# Altium PCB FMC_ADC_128CH_10B.PcbDoc (part 4 of 14) (continued)
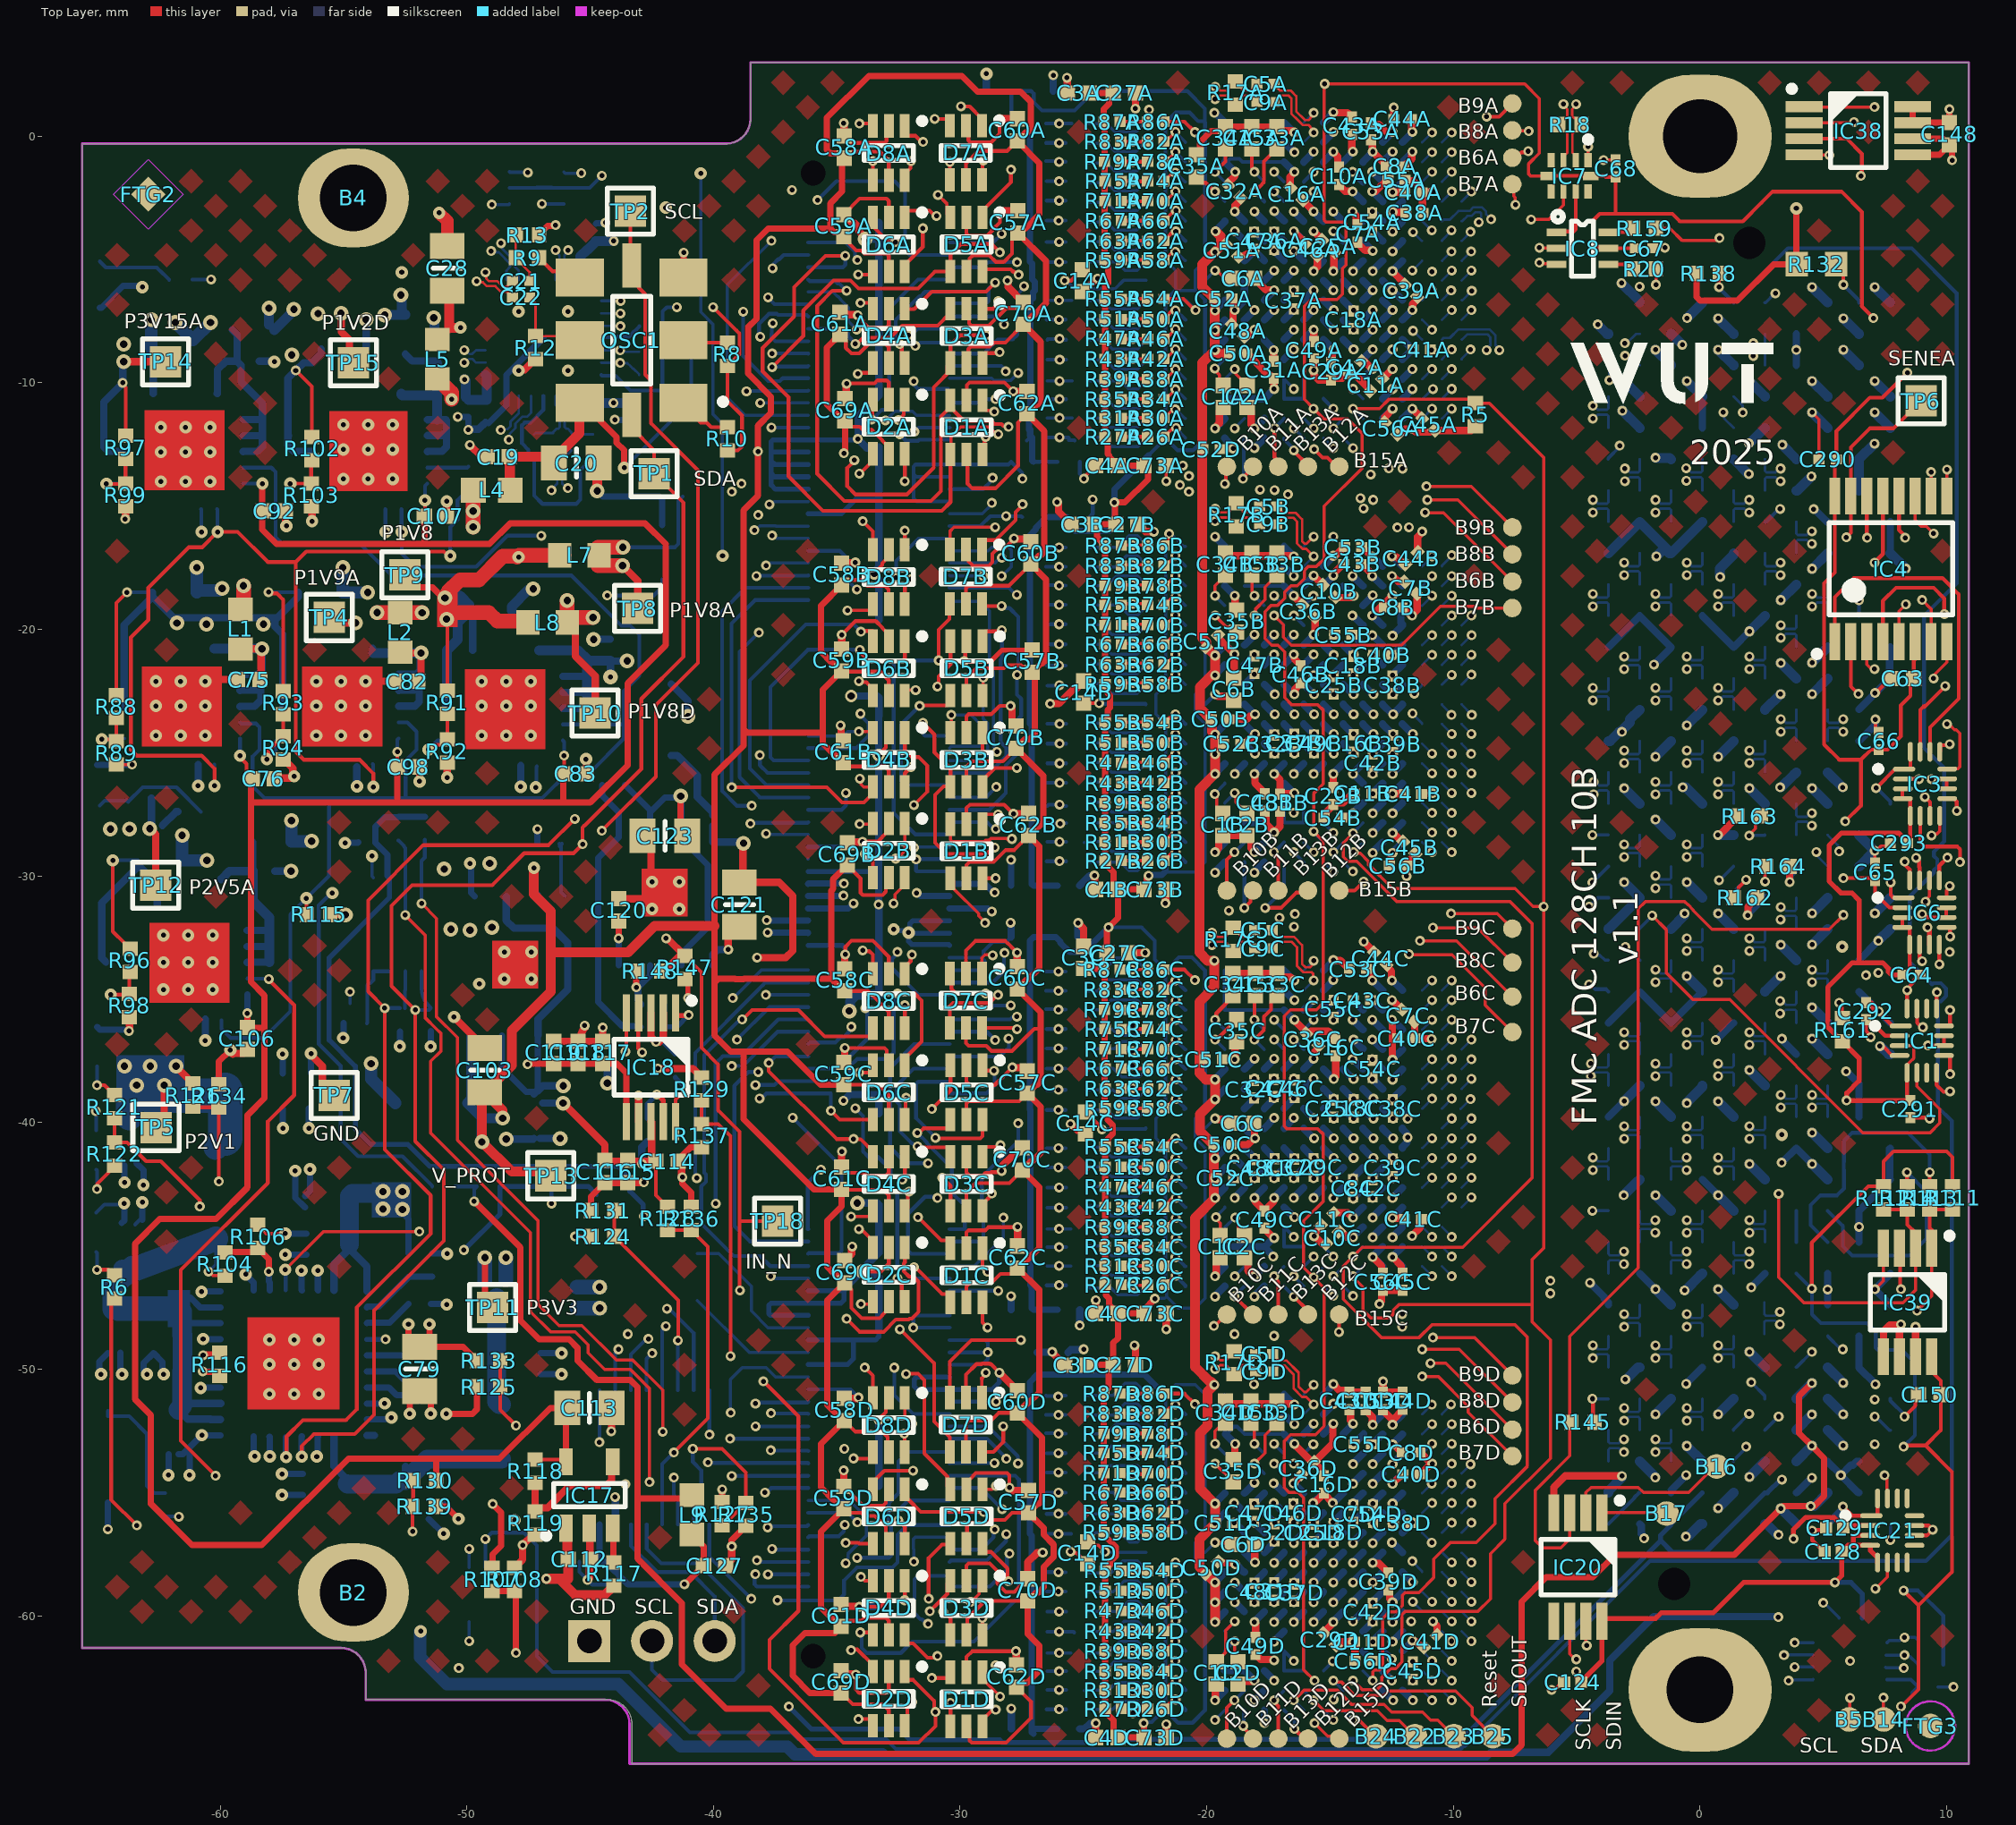
[diagram p0: Top Layer view]
## Nets (pads, with @x,y where several pads share a name; then routed paths per layer and width w, separated by ;. In a path a pad name is that pad's centre, name@x,y a point inside that pad or via, vN(x,y) a via of type N, cw(c..) or ccw(c..) an arc to the next point about the centre after c; other vN are vias at no path point) (continued)
  Bottom Layer w0.1: U1B.T15@-10.467,-27.834 v1(-10.067,-28.234) ; v1(3.27,-24.144) 3.324,-24.144 3.479,-23.989 3.762,-23.989 3.844,-23.989 3.903,-24.048 J6.d15@3.903,-24.524
DOUT1B_P: J6.d14 U1B.R15 | length 35.4
  Int4 (Sign) w0.091: v1(-10.867,-28.234) -10.813,-28.179 -10.556,-28.179 -10.16,-27.784 -4.717,-27.784 -4.035,-27.102 -4.002,-27.102 -3.895,-27.102 -3.342,-27.102 -3.087,-27.357 -3.087,-28.014 -2.967,-28.134 -2.727,-28.134 -2.607,-28.014 -2.607,-27.357 -2.352,-27.102 -2.15,-27.102 -2.088,-27.102 -0.912,-27.102 -0.657,-27.357 -0.657,-28.014 -0.537,-28.134 -0.297,-28.134 -0.177,-28.014 -0.177,-27.357 0.077,-27.102 0.28,-27.102 1.87,-27.102 2.354,-26.618 2.489,-26.482 2.489,-26.466 2.489,-26.065 2.67,-25.811 2.702,-25.778 8.999,-24.709 9.097,-24.571 9.057,-24.334 8.919,-24.236 2.83,-25.27 2.784,-25.27 2.53,-25.09 2.489,-25.049 2.489,-24.864 2.489,-24.001 2.716,-23.774 3.063,-23.774 3.203,-23.634 v1(3.27,-23.634)
  Bottom Layer w0.1: U1B.R15@-11.267,-27.834 v1(-10.867,-28.234) ; v1(3.27,-23.634) 3.324,-23.634 3.479,-23.789 3.679,-23.789 3.844,-23.789 3.903,-23.731 J6.d14@3.903,-23.254
DOUT1C_N: J6.g37 U1C.T15 | length 23.2
  Int3 (Sign) w0.091: v1(-10.067,-45.43) -10.067,-45.376 -9.901,-45.21 -9.512,-45.21 -9.505,-45.21 -9.171,-45.543 -8.811,-45.543 -8.261,-44.992 -8.091,-44.992 -7.921,-45.162 -7.921,-45.332 -8.99,-46.401 -8.99,-46.761 -8.686,-47.065 -8.326,-47.065 -7.257,-45.996 -7.087,-45.996 -6.917,-46.166 -6.917,-46.336 -7.986,-47.405 -7.986,-47.765 -7.682,-48.07 -7.322,-48.07 -6.616,-47.364 -6.447,-47.364 -6.277,-47.534 -6.277,-47.704 -6.982,-48.409 -6.982,-48.769 -6.678,-49.074 -6.318,-49.074 -6.064,-48.82 -5.894,-48.82 -5.818,-48.896 -4.416,-50.298 -3.596,-50.298 -3.359,-50.062 -2.863,-50.062 -1.308,-51.618 -1.308,-51.627 -0.99,-51.944 -0.747,-51.944 -0.607,-52.084 v1(-0.54,-52.084)
  Bottom Layer w0.1: U1C.T15@-10.467,-45.03 v1(-10.067,-45.43) ; v1(-0.54,-52.084) -0.486,-52.084 -0.331,-51.929 -0.048,-51.929 0.034,-51.929 0.093,-51.988 J6.g37@0.093,-52.464
DOUT1C_P: J6.g36 U1C.R15 | length 24.1
  Int3 (Sign) w0.091: v1(-10.867,-45.43) -10.813,-45.375 -10.556,-45.375 -10.16,-44.98 -9.409,-44.98 -9.346,-45.043 -9.202,-45.186 -9.076,-45.313 -8.906,-45.313 -8.356,-44.762 -7.996,-44.762 -7.691,-45.067 -7.691,-45.427 -8.76,-46.496 -8.76,-46.666 -8.591,-46.835 -8.421,-46.835 -7.352,-45.766 -6.992,-45.766 -6.687,-46.071 -6.687,-46.431 -7.756,-47.5 -7.756,-47.67 -7.587,-47.84 -7.417,-47.84 -6.711,-47.134 -6.351,-47.134 -6.047,-47.439 -6.047,-47.799 -6.752,-48.504 -6.752,-48.674 -6.583,-48.844 -6.413,-48.844 -6.159,-48.59 -5.799,-48.59 -5.732,-48.657 -5.656,-48.733 -4.321,-50.068 -3.691,-50.068 -3.454,-49.832 -2.768,-49.832 -1.078,-51.522 -1.078,-51.531 -0.895,-51.714 -0.747,-51.714 -0.607,-51.574 v1(-0.54,-51.574)
  Bottom Layer w0.1: U1C.R15@-11.267,-45.03 v1(-10.867,-45.43) ; v1(-0.54,-51.574) -0.486,-51.574 -0.331,-51.729 -0.131,-51.729 0.034,-51.729 0.093,-51.671 J6.g36@0.093,-51.194
DOUT1D_N: J6.e25 U1D.T15 | length 33.9
  Int4 (Sign) w0.091: v1(-10.067,-62.625) -10.067,-62.572 -9.901,-62.405 -8.304,-62.405 -1.224,-55.325 -1.224,-46.03 -1.229,-46.025 -1.229,-43.753 0.38,-42.144 0.38,-40.515 1.499,-39.396 1.499,-36.85 1.645,-36.704 1.793,-36.704 1.933,-36.844 v1(2,-36.844)
  Bottom Layer w0.1: U1D.T15@-10.467,-62.225 v1(-10.067,-62.625) ; v1(2,-36.844) 2.054,-36.844 2.209,-36.689 2.492,-36.689 2.574,-36.689 2.633,-36.748 J6.e25@2.633,-37.224
DOUT1D_P: J6.e24 U1D.R15 | length 34.8
  Int4 (Sign) w0.091: v1(-10.867,-62.625) -10.813,-62.571 -10.556,-62.571 -10.16,-62.175 -8.399,-62.175 -1.454,-55.23 -1.454,-46.142 -1.459,-46.138 -1.459,-43.658 0.15,-42.049 0.15,-40.42 1.269,-39.301 1.269,-36.755 1.55,-36.474 1.793,-36.474 1.933,-36.334 v1(2,-36.334)
  Bottom Layer w0.1: U1D.R15@-11.267,-62.225 v1(-10.867,-62.625) ; v1(2,-36.334) 2.054,-36.334 2.209,-36.489 2.409,-36.489 2.574,-36.489 2.633,-36.431 J6.e24@2.633,-35.954
DOUT2A_N: J6.j10 U1A.T14 | length 25.2
  Int3 (Sign) w0.091: v1(-10.067,-9.445) -10.067,-9.392 -9.901,-9.225 -9.201,-9.225 -8.981,-9.445 -8.492,-9.445 -7.176,-10.761 -7.176,-12.183 -7.176,-12.403 -7.176,-12.555 -7.176,-13.029 -6.921,-13.284 -6.561,-13.284 -5.603,-12.326 -5.433,-12.326 -5.264,-12.495 -5.264,-12.665 -7.365,-14.767 -7.365,-15.127 -7.061,-15.431 -6.701,-15.431 -4.599,-13.33 -4.429,-13.33 -4.259,-13.5 -4.259,-13.669 -6.292,-15.702 -6.292,-16.062 -5.987,-16.366 -5.627,-16.366 -5.585,-16.324 -5.415,-16.324 -5.339,-16.4 -4.084,-17.654 -3.287,-17.654 -3.147,-17.794 v1(-3.08,-17.794)
  Bottom Layer w0.1: U1A.T14@-10.467,-9.845 v1(-10.067,-9.445) ; v1(-3.08,-17.794) -3.026,-17.794 -2.871,-17.639 -2.588,-17.639 -2.506,-17.639 -2.447,-17.698 J6.j10@-2.447,-18.174
DOUT2A_P: J6.j9 U1A.R14 | length 26.1
  Int3 (Sign) w0.091: v1(-10.867,-9.445) -10.813,-9.391 -10.556,-9.391 -10.16,-8.995 -9.725,-8.995 ; -9.717,-8.995 -9.105,-8.995 -8.885,-9.215 -8.396,-9.215 -6.946,-10.666 -6.946,-12.173 -6.946,-12.555 -6.946,-12.934 -6.826,-13.054 -6.656,-13.054 -5.698,-12.096 -5.338,-12.096 -5.034,-12.4 -5.034,-12.76 -7.135,-14.862 -7.135,-15.032 -6.965,-15.201 -6.796,-15.201 -4.694,-13.1 -4.334,-13.1 -4.029,-13.404 -4.029,-13.765 -6.062,-15.797 -6.062,-15.967 -5.892,-16.136 -5.722,-16.136 -5.68,-16.094 -5.32,-16.094 -5.176,-16.237 -3.989,-17.424 -3.287,-17.424 -3.147,-17.284 v1(-3.08,-17.284)
  Bottom Layer w0.1: U1A.R14@-11.267,-9.845 v1(-10.867,-9.445) ; v1(-3.08,-17.284) -3.026,-17.284 -2.871,-17.439 -2.671,-17.439 -2.506,-17.439 -2.447,-17.381 J6.j9@-2.447,-16.904
DOUT2B_N: J6.c15 U1B.T14 | length 33.8
  Int4 (Sign) w0.091: v1(-10.067,-27.434) -10.067,-27.38 -9.901,-27.214 -9.28,-27.214 -8.562,-27.214 -8.467,-27.309 -8.467,-27.332 -8.238,-27.562 -7.857,-27.562 -7.627,-27.332 -7.627,-25.664 -7.532,-25.569 -7.342,-25.569 -7.247,-25.664 -7.247,-27.332 -7.018,-27.562 -6.637,-27.562 -6.407,-27.332 -6.407,-25.664 -6.312,-25.569 -6.122,-25.569 -6.027,-25.664 -6.027,-27.332 -5.798,-27.562 -5.417,-27.562 -5.187,-27.332 -5.187,-27.309 -5.092,-27.214 -5.069,-27.214 -4.962,-27.214 -4.901,-27.214 -4.72,-27.032 -4.72,-25.917 -4.627,-25.824 -4.164,-25.824 -3.901,-26.087 -2.335,-26.087 -2.154,-25.906 -2.154,-24.859 -2.135,-24.84 -1.991,-24.696 -1.991,-24.336 -2.859,-23.468 -2.859,-23.299 -2.69,-23.129 -2.52,-23.129 -1.652,-23.997 -1.292,-23.997 -0.846,-23.551 -0.756,-23.461 -0.362,-23.461 0.431,-23.461 0.551,-23.581 0.551,-24.552 0.806,-24.807 1.237,-24.807 1.491,-24.552 1.491,-23.581 1.611,-23.461 1.719,-23.461 1.814,-23.461 1.99,-23.284 3.415,-23.284 3.62,-23.489 3.62,-23.492 4.133,-24.004 5.084,-24.004 5.599,-24.004 5.739,-24.144 v1(5.806,-24.144)
  Bottom Layer w0.1: U1B.T14@-10.467,-27.034 v1(-10.067,-27.434) ; J6.c15@5.173,-24.524 5.173,-24.048 5.232,-23.989 5.397,-23.989 5.597,-23.989 5.752,-24.144 v1(5.806,-24.144)
DOUT2B_P: J6.c14 U1B.R14 | length 34.6
  Int4 (Sign) w0.091: v1(-10.867,-27.434) -10.813,-27.379 -10.556,-27.379 -10.16,-26.984 -9.28,-26.984 -8.467,-26.984 -8.237,-27.214 -8.237,-27.237 -8.142,-27.332 -7.952,-27.332 -7.857,-27.237 -7.857,-25.568 -7.628,-25.339 -7.247,-25.339 -7.017,-25.568 -7.017,-27.237 -6.922,-27.332 -6.732,-27.332 -6.637,-27.237 -6.637,-25.568 -6.408,-25.339 -6.027,-25.339 -5.797,-25.568 -5.797,-27.237 -5.702,-27.332 -5.512,-27.332 -5.417,-27.237 -5.417,-27.214 -5.188,-26.984 -5.069,-26.984 -4.997,-26.984 -4.962,-26.949 -4.95,-26.937 -4.95,-25.822 -4.722,-25.594 -4.069,-25.594 -3.806,-25.857 -2.431,-25.857 -2.384,-25.811 -2.384,-24.764 -2.297,-24.677 -2.221,-24.601 -2.221,-24.431 -3.089,-23.564 -3.089,-23.203 -2.785,-22.899 -2.425,-22.899 -1.557,-23.767 -1.387,-23.767 -1.008,-23.388 -0.851,-23.231 -0.362,-23.231 0.527,-23.231 0.781,-23.485 0.781,-24.457 0.901,-24.577 1.141,-24.577 1.261,-24.457 1.261,-23.485 1.516,-23.231 1.719,-23.231 1.895,-23.054 3.511,-23.054 3.85,-23.394 3.85,-23.397 4.228,-23.774 4.989,-23.774 5.599,-23.774 5.739,-23.634 v1(5.806,-23.634)
  Bottom Layer w0.1: U1B.R14@-11.267,-27.034 v1(-10.867,-27.434) ; J6.c14@5.173,-23.254 5.173,-23.731 5.232,-23.789 5.314,-23.789 5.597,-23.789 5.752,-23.634 v1(5.806,-23.634)
DOUT2C_N: J6.h35 U1C.T14 | length 25
  Int6 (Sign) w0.091: v1(-10.067,-44.63) -10.128,-44.568 -10.27,-44.568 -10.352,-44.486 -10.352,-44.42 -10.238,-44.305 -9.855,-44.305 -9.497,-44.663 -9.497,-46.207 -9.497,-46.409 -9.242,-46.664 -8.929,-46.664 -8.809,-46.784 -8.809,-47.024 -8.929,-47.144 -10.588,-47.144 -10.843,-47.399 -10.843,-47.829 -10.588,-48.084 -8.6,-48.084 -8.48,-48.204 -8.48,-48.444 -8.6,-48.564 -10.228,-48.564 -10.483,-48.819 -10.483,-49.249 -10.228,-49.504 -9.617,-49.504 -9.497,-49.624 -9.497,-50.026 -9.497,-50.295 -9.045,-50.747 -8.554,-50.747 -6.436,-48.629 -4.186,-48.629 -3.411,-49.404 -2.017,-49.404 -1.877,-49.544 v1(-1.81,-49.544)
  Bottom Layer w0.1: U1C.T14@-10.467,-44.23 v1(-10.067,-44.63) ; v1(-1.81,-49.544) -1.756,-49.544 -1.601,-49.389 -1.318,-49.389 -1.236,-49.389 -1.177,-49.448 J6.h35@-1.177,-49.924
DOUT2C_P: J6.h34 U1C.R14 | length 25.3
  Int6 (Sign) w0.091: v1(-10.867,-44.63) -10.806,-44.568 -10.665,-44.568 -10.582,-44.486 -10.582,-44.324 -10.333,-44.075 -9.76,-44.075 -9.267,-44.568 -9.267,-46.207 -9.267,-46.314 -9.147,-46.434 -8.834,-46.434 -8.579,-46.689 -8.579,-47.119 -8.834,-47.374 -10.493,-47.374 -10.613,-47.494 -10.613,-47.734 -10.493,-47.854 -8.504,-47.854 -8.25,-48.109 -8.25,-48.539 -8.504,-48.794 -10.133,-48.794 -10.253,-48.914 -10.253,-49.154 -10.133,-49.274 -9.522,-49.274 -9.267,-49.529 -9.267,-50.026 -9.267,-50.199 -8.95,-50.517 -8.649,-50.517 -6.532,-48.399 -4.091,-48.399 -3.316,-49.174 -2.017,-49.174 -1.877,-49.034 v1(-1.81,-49.034)
  Bottom Layer w0.1: U1C.R14@-11.267,-44.23 v1(-10.867,-44.63) ; v1(-1.81,-49.034) -1.756,-49.034 -1.601,-49.189 -1.401,-49.189 -1.236,-49.189 -1.177,-49.131 J6.h34@-1.177,-48.654
DOUT2D_N: J6.j31 U1D.T14 | length 31.6
  Int4 (Sign) w0.091: v1(-10.067,-61.825) -10.067,-61.772 -9.901,-61.605 -8.679,-61.605 -8.145,-61.072 -8.002,-60.928 -8.002,-60.568 -8.711,-59.859 -8.711,-59.689 -8.541,-59.52 -8.372,-59.52 -7.372,-60.519 -7.012,-60.519 -6.707,-60.215 -6.707,-59.855 -8.547,-58.015 -8.547,-57.845 -8.377,-57.676 -8.208,-57.676 -6.659,-59.224 -6.298,-59.224 -5.751,-58.677 -2.345,-55.271 -2.345,-45.825 -2.5,-45.67 -2.5,-44.655 -2.169,-44.324 -2.021,-44.324 -1.881,-44.464 v1(-1.814,-44.464)
  Bottom Layer w0.1: U1D.T14@-10.467,-61.425 v1(-10.067,-61.825) ; J6.j31@-2.447,-44.844 -2.447,-44.368 -2.388,-44.309 -2.223,-44.309 -2.023,-44.309 -1.868,-44.464 v1(-1.814,-44.464)
DOUT2D_P: J6.j30 U1D.R14 | length 32.5
  Int4 (Sign) w0.091: v1(-10.867,-61.825) -10.813,-61.771 -10.556,-61.771 -10.16,-61.375 -8.775,-61.375 -8.308,-60.909 -8.232,-60.833 -8.232,-60.663 -8.941,-59.954 -8.941,-59.594 -8.636,-59.29 -8.276,-59.29 -7.277,-60.289 -7.107,-60.289 -6.937,-60.12 -6.937,-59.95 -8.777,-58.11 -8.777,-57.75 -8.472,-57.446 -8.112,-57.446 -6.563,-58.994 -6.394,-58.994 -5.914,-58.515 -2.575,-55.176 -2.575,-45.92 -2.73,-45.765 -2.73,-44.559 -2.265,-44.094 -2.021,-44.094 -1.881,-43.954 v1(-1.814,-43.954)
  Bottom Layer w0.1: U1D.R14@-11.267,-61.425 v1(-10.867,-61.825) ; J6.j30@-2.447,-43.574 -2.447,-44.051 -2.388,-44.109 -2.306,-44.109 -2.023,-44.109 -1.868,-43.954 v1(-1.814,-43.954)
DOUT3A_N: J6.e16 U1A.U13 | length 25.5
  Int3 (Sign) w0.091: v1(-9.307,-8.645) -9.394,-8.645 -9.511,-8.528 -9.525,-8.528 -9.561,-8.493 -9.561,-8.42 -9.478,-8.336 -7.773,-8.336 -7.773,-9.151 -3.655,-13.269 -3.655,-15.805 -3.655,-16 ; v1(2,-25.414) 1.933,-25.414 1.802,-25.283 1.627,-25.283 1.296,-24.951 1.296,-24.275 0.452,-23.432 -0.048,-23.432 -1.35,-22.13 -1.35,-20.463 -1.352,-20.461 -2.525,-19.288 -2.525,-17.135 -3.655,-16.004 -3.655,-16 ; -3.655,-16 -3.644,-16 -3.655,-16
  Bottom Layer w0.1: U1A.U13@-9.667,-9.045 -9.667,-9.025 -9.307,-8.665 v1(-9.307,-8.645) ; v1(2,-25.414) 2.054,-25.414 2.209,-25.259 2.492,-25.259 2.574,-25.259 2.633,-25.318 J6.e16@2.633,-25.794
DOUT3A_P: J6.e15 U1A.T13 | length 25.9
  Int3 (Sign) w0.091: v1(-10.067,-8.645) -9.981,-8.645 -9.864,-8.528 -9.849,-8.528 -9.802,-8.482 -9.802,-8.32 -9.577,-8.095 -7.667,-8.095 -7.532,-8.23 -7.532,-9.051 -3.414,-13.169 -3.414,-15.904 -2.284,-17.035 -2.284,-19.188 -1.109,-20.363 -1.109,-22.03 0.052,-23.191 0.552,-23.191 1.537,-24.176 1.537,-24.852 1.727,-25.042 1.793,-25.042 1.931,-24.904 v1(2,-24.904)
  Bottom Layer w0.1: U1A.T13@-10.467,-9.045 v1(-10.067,-8.645) ; v1(2,-24.904) 2.054,-24.904 2.209,-25.059 2.409,-25.059 2.574,-25.059 2.633,-25.001 J6.e15@2.633,-24.524
DOUT3B_N: J6.h14 U1B.U13 | length 33
  Int1 (Sign) w0.091: v1@-9.247,-26.634 v1(-9.267,-26.634) -9.267,-26.58 -9.101,-26.414 -9.027,-26.414 -9.017,-26.404 -8.024,-26.404 -7.693,-26.074 -7.546,-25.927 -7.546,-25.56 -7.769,-25.336 -7.769,-25.16 -7.593,-24.984 -7.416,-24.984 -7.193,-25.207 -6.826,-25.207 -6.596,-24.976 -6.115,-24.495 -6.115,-24.296 -6.115,-24.093 -6.344,-23.864 -7.156,-23.864 -7.251,-23.769 -7.251,-23.579 -7.156,-23.484 -4.929,-23.484 -4.7,-23.254 -4.7,-22.873 -4.929,-22.644 -7.156,-22.644 -7.251,-22.549 -7.251,-22.359 -7.156,-22.264 -4.917,-22.264 -4.687,-22.034 -4.687,-21.653 -4.917,-21.424 -7.156,-21.424 -7.251,-21.329 -7.251,-21.139 -7.156,-21.044 -4.917,-21.044 -4.687,-20.814 -4.687,-20.433 -4.917,-20.204 -6.02,-20.204 -6.115,-20.109 -6.115,-19.645 -6.115,-19.415 -5.929,-19.229 -5.005,-19.229 -3.78,-20.454 -3.78,-22.503 -3.548,-22.734 -2.017,-22.734 -1.877,-22.874 v1(-1.81,-22.874)
  Bottom Layer w0.1: U1B.U13@-9.667,-26.234 v1(-9.267,-26.634) ; v1(-1.81,-22.874) -1.756,-22.874 -1.601,-22.719 -1.318,-22.719 -1.236,-22.719 -1.177,-22.778 J6.h14@-1.177,-23.254
DOUT3B_P: J6.h13 U1B.T13 | length 33.8
  Int1 (Sign) w0.091: v1(-10.067,-26.634) -10.013,-26.579 -9.756,-26.579 -9.36,-26.184 -9.122,-26.184 -9.113,-26.174 -8.119,-26.174 -7.856,-25.911 -7.776,-25.831 -7.776,-25.655 -7.999,-25.432 -7.999,-25.065 -7.688,-24.754 -7.321,-24.754 -7.098,-24.977 -6.921,-24.977 -6.758,-24.814 -6.345,-24.4 -6.345,-24.296 -6.345,-24.189 -6.44,-24.094 -7.251,-24.094 -7.481,-23.864 -7.481,-23.483 -7.251,-23.254 -5.025,-23.254 -4.93,-23.159 -4.93,-22.969 -5.025,-22.874 -7.251,-22.874 -7.481,-22.644 -7.481,-22.263 -7.251,-22.034 -5.012,-22.034 -4.917,-21.939 -4.917,-21.749 -5.012,-21.654 -7.251,-21.654 -7.481,-21.424 -7.481,-21.043 -7.251,-20.814 -5.012,-20.814 -4.917,-20.719 -4.917,-20.529 -5.012,-20.434 -6.115,-20.434 -6.345,-20.204 -6.345,-19.645 -6.345,-19.319 -6.025,-18.999 -4.91,-18.999 -3.55,-20.359 -3.55,-22.408 -3.453,-22.504 -2.017,-22.504 -1.877,-22.364 v1(-1.81,-22.364)
  Bottom Layer w0.1: U1B.T13@-10.467,-26.234 v1(-10.067,-26.634) ; v1(-1.81,-22.364) -1.756,-22.364 -1.601,-22.519 -1.401,-22.519 -1.236,-22.519 -1.177,-22.461 J6.h13@-1.177,-21.984
DOUT3C_N: J6.h32 U1C.U13 | length 23.5
  Int3 (Sign) w0.091: v1(-9.267,-43.03) -9.267,-42.976 -9.101,-42.81 -8.692,-42.81 -8.49,-42.81 -8.235,-42.555 -8.235,-40.608 -8.115,-40.488 -7.875,-40.488 -7.755,-40.608 -7.755,-43.608 -7.5,-43.863 -7.07,-43.863 -6.815,-43.608 -6.815,-40.608 -6.695,-40.488 -6.455,-40.488 -6.335,-40.608 -6.335,-42.788 -6.08,-43.042 -5.65,-43.042 -5.395,-42.788 -5.395,-42.367 -5.275,-42.247 -5.035,-42.247 -4.915,-42.367 -4.915,-42.555 -4.66,-42.81 -4.466,-42.81 -4.432,-42.843 -4.229,-43.046 -1.681,-45.594 -1.267,-45.594 -1.265,-45.592 -0.751,-45.592 -0.611,-45.732 v1(-0.544,-45.732)
  Bottom Layer w0.1: U1C.U13@-9.667,-43.43 v1(-9.267,-43.03) ; J6.h32@-1.177,-46.112 -1.177,-45.636 -1.118,-45.577 -0.953,-45.577 -0.753,-45.577 -0.598,-45.732 v1(-0.544,-45.732)
DOUT3C_P: J6.h31 U1C.T13 | length 24.4
  Int3 (Sign) w0.091: v1(-10.067,-43.03) -10.013,-42.975 -9.756,-42.975 -9.36,-42.58 -8.692,-42.58 -8.585,-42.58 -8.465,-42.46 -8.465,-40.513 -8.21,-40.258 -7.78,-40.258 -7.525,-40.513 -7.525,-43.513 -7.405,-43.633 -7.165,-43.633 -7.045,-43.513 -7.045,-40.513 -6.79,-40.258 -6.36,-40.258 -6.105,-40.513 -6.105,-42.692 -5.985,-42.812 -5.745,-42.812 -5.625,-42.692 -5.625,-42.271 -5.37,-42.017 -4.94,-42.017 -4.685,-42.271 -4.685,-42.46 -4.565,-42.58 -4.37,-42.58 -4.269,-42.681 -4.229,-42.721 -1.586,-45.364 -1.362,-45.364 -1.36,-45.362 -0.751,-45.362 -0.611,-45.222 v1(-0.544,-45.222)
  Bottom Layer w0.1: U1C.T13@-10.467,-43.43 v1(-10.067,-43.03) ; J6.h31@-1.177,-44.842 J6.h31@-1.177,-44.844 -1.177,-45.318 -1.118,-45.377 -1.036,-45.377 -0.753,-45.377 -0.598,-45.222 v1(-0.544,-45.222)
DOUT3D_N: J6.j37 U1D.U13 | length 33.4
  Int6 (Sign) w0.091: v1(-9.267,-61.025) -9.267,-60.972 -9.101,-60.805 -8.714,-60.805 -8.292,-60.383 -8.149,-60.24 -8.149,-59.88 -8.555,-59.474 -8.555,-59.304 -8.385,-59.134 -8.215,-59.134 -7.452,-59.897 -7.092,-59.897 -6.788,-59.593 -6.788,-59.233 -9.036,-56.984 -9.036,-56.815 -8.866,-56.645 -8.697,-56.645 -6.805,-58.536 -6.445,-58.536 -6.223,-58.314 -6.05,-58.141 -6.05,-57.571 -6.05,-57.384 -5.93,-57.264 -4.346,-57.264 -4.092,-57.009 -4.092,-56.578 -4.346,-56.324 -7.52,-56.324 -7.64,-56.204 -7.64,-55.964 -7.52,-55.844 -3.824,-55.844 -3.569,-55.589 -3.569,-55.158 -3.824,-54.904 -5.93,-54.904 -6.05,-54.784 -6.05,-54.676 -6.05,-54.228 -3.766,-51.944 -3.287,-51.944 -3.147,-52.084 v1(-3.08,-52.084)
  Bottom Layer w0.1: U1D.U13@-9.667,-60.625 v1(-9.267,-61.025) ; v1(-3.08,-52.084) -3.026,-52.084 -2.871,-51.929 -2.588,-51.929 -2.506,-51.929 -2.447,-51.988 J6.j37@-2.447,-52.464
DOUT3D_P: J6.j36 U1D.T13 | length 34.3
  Int6 (Sign) w0.091: v1(-10.067,-61.025) -10.013,-60.971 -9.756,-60.971 -9.36,-60.575 -8.809,-60.575 -8.455,-60.221 -8.379,-60.145 -8.379,-59.975 -8.785,-59.569 -8.785,-59.209 -8.48,-58.904 -8.12,-58.904 -7.357,-59.667 -7.187,-59.667 -7.018,-59.498 -7.018,-59.328 -9.266,-57.08 -9.266,-56.719 -8.962,-56.415 -8.601,-56.415 -6.71,-58.306 -6.54,-58.306 -6.386,-58.152 -6.28,-58.046 -6.28,-57.571 -6.28,-57.288 -6.025,-57.034 -4.442,-57.034 -4.322,-56.914 -4.322,-56.674 -4.442,-56.554 -7.615,-56.554 -7.87,-56.299 -7.87,-55.868 -7.615,-55.614 -3.919,-55.614 -3.799,-55.494 -3.799,-55.254 -3.919,-55.134 -6.025,-55.134 -6.28,-54.879 -6.28,-54.676 -6.28,-54.133 -3.862,-51.714 -3.287,-51.714 -3.147,-51.574 v1(-3.08,-51.574)
  Bottom Layer w0.1: U1D.T13@-10.467,-60.625 v1(-10.067,-61.025) ; v1(-3.08,-51.574) -3.026,-51.574 -2.871,-51.729 -2.671,-51.729 -2.506,-51.729 -2.447,-51.671 J6.j36@-2.447,-51.194
DOUT4A_N: J6.j19 U1A.U12 | length 27.9
  Int6 (Sign) w0.091: v1(-8.649,-8.675) -8.649,-8.742 -8.509,-8.882 -8.509,-9.991 -8.915,-10.396 -8.915,-21.052 -6.961,-23.006 -6.961,-28.142 -6.019,-29.084 -3.287,-29.084 -3.147,-29.224 v1(-3.08,-29.224)
  Bottom Layer w0.1: U1A.U12@-9.667,-8.245 -9.65,-8.245 -9.435,-8.03 -8.62,-8.03 -8.5,-8.15 -8.5,-8.345 -8.494,-8.35 -8.494,-8.467 -8.649,-8.622 v1(-8.649,-8.675) ; v1(-3.08,-29.224) -3.026,-29.224 -2.871,-29.069 -2.588,-29.069 -2.506,-29.069 -2.447,-29.128 J6.j19@-2.447,-29.604
DOUT4A_P: J6.j18 U1A.T12 | length 28.8
  Int6 (Sign) w0.091: v1(-8.139,-8.675) -8.139,-8.742 -8.279,-8.882 -8.279,-10.086 -8.685,-10.491 -8.685,-20.957 -6.731,-22.911 -6.731,-28.047 -5.923,-28.854 -3.287,-28.854 -3.147,-28.714 v1(-3.08,-28.714)
  Bottom Layer w0.1: U1A.T12@-10.467,-8.245 -10.4,-8.178 -10.145,-8.178 -9.797,-7.83 -8.537,-7.83 -8.359,-8.009 -8.294,-8.073 -8.294,-8.467 -8.139,-8.622 v1(-8.139,-8.675) ; v1(-3.08,-28.714) -3.026,-28.714 -2.871,-28.869 -2.671,-28.869 -2.506,-28.869 -2.447,-28.811 J6.j18@-2.447,-28.334
DOUT4B_N: J6.d12 U1B.U12 | length 35.1
  Int4 (Sign) w0.091: v1(-9.267,-25.834) -9.267,-25.793 -9.094,-25.62 -8.612,-25.62 -7.893,-24.901 -5.516,-24.901 -2.629,-22.014 -1.321,-22.014 -0.771,-22.564 -0.317,-22.564 0.642,-21.604 0.773,-21.604 1.973,-22.804 2.585,-22.804 3.122,-22.267 5.912,-22.267 6.052,-22.128 6.195,-21.984 6.195,-21.589 5.286,-20.68 5.286,-20.475 5.491,-20.269 5.696,-20.269 6.605,-21.179 7.001,-21.179 7.198,-20.982 7.643,-20.536 7.643,-18.439 7.165,-17.961 5.868,-17.961 5.041,-18.788 5.041,-19.074 3.338,-20.777 2.812,-20.777 2.568,-20.534 2.568,-20.324 2.697,-20.194 3.063,-20.194 3.203,-20.334 v1(3.27,-20.334)
  Bottom Layer w0.1: U1B.U12@-9.667,-25.434 v1(-9.267,-25.834) ; v1(3.27,-20.334) 3.324,-20.334 3.479,-20.179 3.762,-20.179 3.844,-20.179 3.903,-20.238 J6.d12@3.903,-20.714
DOUT4B_P: J6.d11 U1B.T12 | length 36
  Int4 (Sign) w0.091: v1(-10.067,-25.834) -10.013,-25.779 -9.749,-25.779 -9.36,-25.39 -8.707,-25.39 -7.988,-24.671 -5.612,-24.671 -2.725,-21.784 -1.226,-21.784 -0.676,-22.334 -0.413,-22.334 0.547,-21.374 0.868,-21.374 2.068,-22.574 2.489,-22.574 3.027,-22.037 5.817,-22.037 5.889,-21.965 5.965,-21.889 5.965,-21.684 5.056,-20.775 5.056,-20.379 5.395,-20.039 5.791,-20.039 6.7,-20.949 6.905,-20.949 7.035,-20.819 7.413,-20.441 7.413,-18.535 7.07,-18.191 5.963,-18.191 5.271,-18.883 5.271,-19.17 3.433,-21.007 2.716,-21.007 2.338,-20.629 2.338,-20.228 2.602,-19.964 3.063,-19.964 3.203,-19.824 v1(3.27,-19.824)
  Bottom Layer w0.1: U1B.T12@-10.467,-25.434 v1(-10.067,-25.834) ; v1(3.27,-19.824) 3.324,-19.824 3.479,-19.979 3.679,-19.979 3.844,-19.979 3.903,-19.921 J6.d11@3.903,-19.444
DOUT4C_N: J6.g31 U1C.U12 | length 23.7
  Int6 (Sign) w0.091: v1(-9.267,-42.23) -9.267,-42.176 -9.101,-42.01 -8.22,-42.01 -7.809,-42.42 -7.809,-42.686 -7.809,-43.013 -7.929,-43.133 -8.134,-43.133 -8.389,-43.388 -8.389,-43.818 -8.134,-44.073 -7.021,-44.073 -6.901,-44.193 -6.901,-44.433 -7.021,-44.553 -8.134,-44.553 -8.389,-44.808 -8.389,-45.238 -8.134,-45.493 -7.021,-45.493 -6.901,-45.613 -6.901,-45.853 -7.021,-45.973 -8.134,-45.973 -8.389,-46.228 -8.389,-46.658 -8.134,-46.913 -7.929,-46.913 -7.809,-47.033 -7.809,-47.14 -7.809,-47.603 -7.511,-47.901 -4.083,-47.901 -1.234,-45.052 -1.234,-44.664 -0.895,-44.324 -0.747,-44.324 -0.607,-44.464 v1(-0.54,-44.464)
  Bottom Layer w0.1: U1C.U12@-9.667,-42.63 v1(-9.267,-42.23) ; v1(-0.54,-44.464) -0.486,-44.464 -0.331,-44.309 -0.048,-44.309 0.034,-44.309 0.093,-44.368 J6.g31@0.093,-44.844
DOUT4C_P: J6.g30 U1C.T12 | length 24.5
  Int6 (Sign) w0.091: v1(-10.067,-42.23) -10.013,-42.175 -9.756,-42.175 -9.36,-41.78 -8.125,-41.78 -7.579,-42.325 -7.579,-42.686 -7.579,-43.108 -7.834,-43.363 -8.039,-43.363 -8.159,-43.483 -8.159,-43.723 -8.039,-43.843 -6.925,-43.843 -6.671,-44.098 -6.671,-44.528 -6.925,-44.783 -8.039,-44.783 -8.159,-44.903 -8.159,-45.143 -8.039,-45.263 -6.925,-45.263 -6.671,-45.518 -6.671,-45.948 -6.925,-46.203 -8.039,-46.203 -8.159,-46.323 -8.159,-46.563 -8.039,-46.683 -7.834,-46.683 -7.579,-46.938 -7.579,-47.14 -7.579,-47.507 -7.416,-47.671 -4.178,-47.671 -1.464,-44.957 -1.464,-44.569 -0.99,-44.094 -0.747,-44.094 -0.607,-43.954 v1(-0.54,-43.954)
  Bottom Layer w0.1: U1C.T12@-10.467,-42.63 v1(-10.067,-42.23) ; v1(-0.54,-43.954) -0.486,-43.954 -0.331,-44.109 -0.131,-44.109 0.034,-44.109 0.093,-44.051 J6.g30@0.093,-43.574
DOUT4D_N: J6.e28 U1D.U12 | length 31.4
  Int1 (Sign) w0.091: v1(-9.267,-60.225) -9.267,-60.172 -9.101,-60.005 -7.689,-60.005 -3.026,-55.343 -0.598,-55.343 0.23,-54.515 0.23,-46.751 0.23,-45.834 0.375,-45.689 1.248,-45.689 1.528,-45.409 1.528,-44.928 1.248,-44.649 0.375,-44.649 0.23,-44.504 0.23,-43.07 0.23,-40.912 0.628,-40.514 1.793,-40.514 1.933,-40.654 v1(2,-40.654)
  Int4 (Sign) w0.091: v1(-9.267,-60.225) v1@-9.267,-60.172
  Bottom Layer w0.1: U1D.U12@-9.667,-59.825 v1(-9.267,-60.225) ; v1(2,-40.654) 2.054,-40.654 2.209,-40.499 2.492,-40.499 2.574,-40.499 2.633,-40.558 J6.e28@2.633,-41.034
DOUT4D_P: J6.e27 U1D.T12 | length 32.2
  Int1 (Sign) w0.091: v1(-10.067,-60.225) -10.013,-60.171 -9.756,-60.171 -9.36,-59.775 -7.784,-59.775 -3.121,-55.113 -0.693,-55.113 0,-54.42 0,-46.751 0,-45.738 0.28,-45.459 1.153,-45.459 1.298,-45.314 1.298,-45.024 1.153,-44.879 0.28,-44.879 0,-44.599 0,-43.07 0,-40.817 0.533,-40.284 1.793,-40.284 1.933,-40.144 v1(2,-40.144)
  Bottom Layer w0.1: U1D.T12@-10.467,-59.825 v1(-10.067,-60.225) ; v1(2,-40.144) 2.054,-40.144 2.209,-40.299 2.409,-40.299 2.574,-40.299 2.633,-40.241 J6.e27@2.633,-39.764
DOUT5A_N: J6.j7 U1A.R11 | length 23.8
  Int1 (Sign) w0.091: v1(-10.867,-7.85) -10.867,-7.897 -10.698,-8.066 -10.308,-8.066 -9.88,-7.638 -7.722,-7.638 -5.299,-5.215 -1.691,-5.215 0.23,-7.136 0.23,-11.877 -1.737,-13.844 -2.84,-13.844 -2.98,-13.984 v1(-3.047,-13.984)
  Bottom Layer w0.1: U1A.R11@-11.267,-7.445 -11.267,-7.447 -10.867,-7.847 v1(-10.867,-7.85) ; v1(-3.047,-13.984) -2.993,-13.984 -2.838,-13.829 -2.588,-13.829 -2.506,-13.829 -2.447,-13.888 J6.j7@-2.447,-14.364
DOUT5A_P: J6.j6 U1A.R12 | length 23.8
  Int1 (Sign) w0.091: v1(-11.635,-7.887) -11.574,-7.949 -11.427,-7.949 -11.079,-8.296 -10.213,-8.296 -9.785,-7.868 -7.626,-7.868 -5.204,-5.445 -1.786,-5.445 0,-7.231 0,-11.782 -1.832,-13.614 -2.84,-13.614 -2.98,-13.474 v1(-3.047,-13.474)
  Bottom Layer w0.1: v1(-11.635,-7.887) -11.63,-7.887 -11.272,-8.245 U1A.R12@-11.267,-8.245 ; v1(-3.047,-13.474) -2.993,-13.474 -2.838,-13.629 -2.671,-13.629 -2.506,-13.629 -2.447,-13.571 J6.j6@-2.447,-13.094
DOUT5B_N: J6.h20 U1B.R11 | length 34.1
  Int3 (Sign) w0.091: v1@-10.867,-25.071 v1(-10.867,-25.034) -11.152,-25.319 -11.481,-25.319 -11.865,-25.703 -11.865,-29.359 -11.912,-29.406 -12.787,-29.406 -13.118,-29.737 -13.118,-31.122 -12.936,-31.304 -12.036,-31.304 -11.62,-30.888 -11.449,-30.888 -11.247,-30.888 -10.992,-30.633 -10.992,-29.734 -10.872,-29.614 -10.632,-29.614 -10.512,-29.734 -10.512,-30.913 -10.257,-31.167 -9.827,-31.167 -9.572,-30.913 -9.572,-29.546 -9.452,-29.426 -9.212,-29.426 -9.092,-29.546 -9.092,-31.015 -8.837,-31.27 -8.407,-31.27 -8.152,-31.015 -8.152,-29.281 -8.032,-29.161 -7.792,-29.161 -7.672,-29.281 -7.672,-31.015 -7.417,-31.27 -6.987,-31.27 -6.732,-31.015 -6.732,-29.281 -6.612,-29.161 -6.372,-29.161 -6.252,-29.281 -6.252,-30.633 -5.997,-30.888 -4.44,-30.888 -2.698,-30.888 -2.165,-30.354 -2.017,-30.354 -1.877,-30.494 v1(-1.81,-30.494)
  Bottom Layer w0.1: U1B.R11@-11.267,-24.634 v1(-10.867,-25.034) ; v1(-1.81,-30.494) -1.756,-30.494 -1.601,-30.339 -1.318,-30.339 -1.236,-30.339 -1.177,-30.398 J6.h20@-1.177,-30.874
DOUT5B_P: J6.h19 U1B.R12 | length 33.3
  Int3 (Sign) w0.091: v1@-10.867,-25.796 v1(-10.867,-25.834) -11.152,-25.549 -11.386,-25.549 -11.635,-25.798 -11.635,-29.455 -11.817,-29.636 -12.692,-29.636 -12.888,-29.832 -12.888,-31.027 -12.841,-31.074 -12.131,-31.074 -11.715,-30.658 -11.449,-30.658 -11.342,-30.658 -11.222,-30.538 -11.222,-29.639 -10.967,-29.384 -10.537,-29.384 -10.282,-29.639 -10.282,-30.817 -10.162,-30.937 -9.922,-30.937 -9.802,-30.817 -9.802,-29.451 -9.547,-29.196 -9.117,-29.196 -8.862,-29.451 -8.862,-30.92 -8.742,-31.04 -8.502,-31.04 -8.382,-30.92 -8.382,-29.185 -8.127,-28.931 -7.697,-28.931 -7.442,-29.185 -7.442,-30.92 -7.322,-31.04 -7.082,-31.04 -6.962,-30.92 -6.962,-29.185 -6.707,-28.931 -6.277,-28.931 -6.022,-29.185 -6.022,-30.538 -5.902,-30.658 -4.44,-30.658 -2.794,-30.658 -2.26,-30.124 -2.017,-30.124 -1.877,-29.984 v1(-1.81,-29.984)
  Bottom Layer w0.1: U1B.R12@-11.267,-25.434 v1(-10.867,-25.834) ; v1(-1.81,-29.984) -1.756,-29.984 -1.601,-30.139 -1.401,-30.139 -1.236,-30.139 -1.177,-30.081 J6.h19@-1.177,-29.604
DOUT5C_N: J6.g34 U1C.R11 | length 23.3
  Int3 (Sign) w0.091: v1@-10.928,-41.43 v1(-10.867,-41.43) -10.867,-41.477 -11.105,-41.715 -11.4,-41.715 -11.894,-42.209 -11.894,-43.733 -11.622,-44.004 -8.14,-44.004 -7.092,-45.052 -7.018,-45.052 -6.756,-45.052 -6.455,-44.973 -6.423,-44.941 -5.645,-43.607 -5.481,-43.564 -5.273,-43.685 -5.23,-43.849 -6.229,-45.56 -6.229,-45.606 -6.15,-45.907 -6.117,-45.94 -5.788,-46.132 -5.742,-46.132 -5.441,-46.053 -5.409,-46.02 -4.874,-45.104 -4.678,-45.052 -4.29,-45.052 -4.277,-45.066 -4.176,-45.167 -3.8,-45.543 -3.8,-46.44 -2.105,-48.134 -0.747,-48.134 -0.607,-48.274 v1(-0.54,-48.274)
  Bottom Layer w0.1: U1C.R11@-11.267,-41.83 v1(-10.867,-41.43) ; v1(-0.54,-48.274) -0.486,-48.274 -0.331,-48.119 -0.048,-48.119 0.034,-48.119 0.093,-48.178 J6.g34@0.093,-48.654